# KiCad board GDI-STM.kicad_pcb (continued)
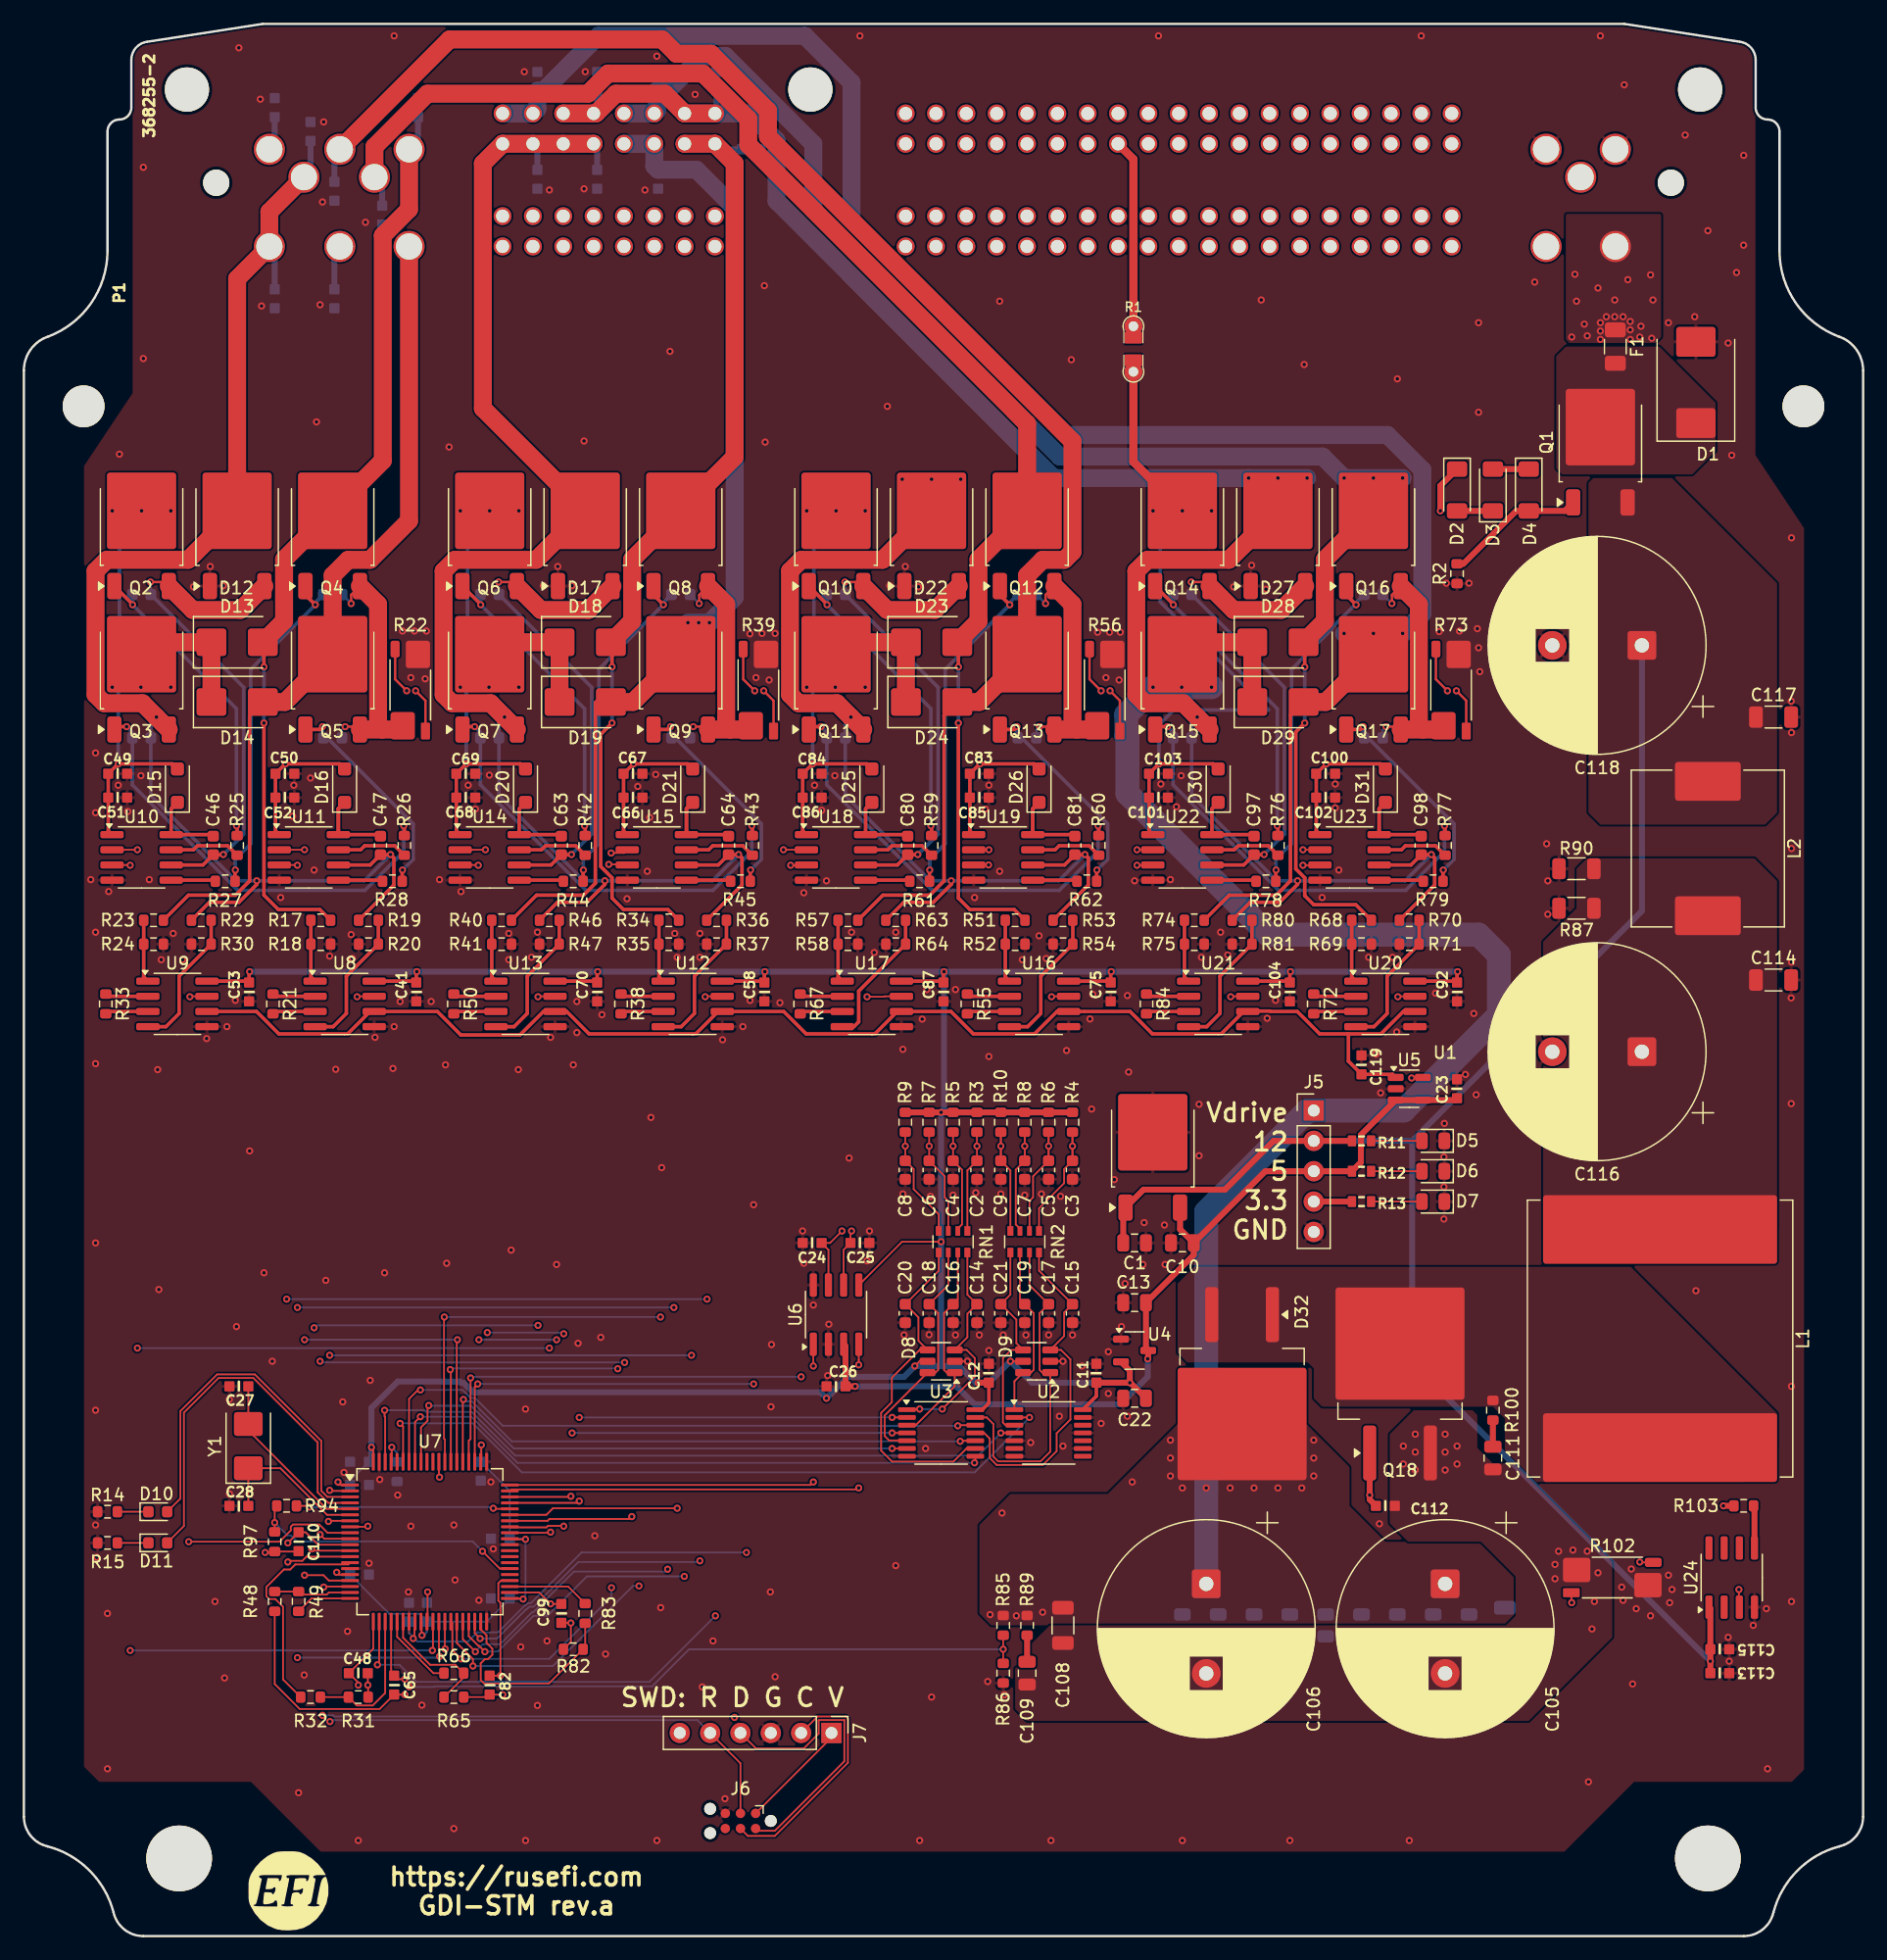
[diagram p0: board, top side]
## Routing (per net, layer and track width the routed paths; a pad name or vN(x,y) marks a point on that pad's centre or on a via; arc(x,y) is an arc through that point) (continued)
/Boot0: length 2.6
  Top w0.15: U7.77 30.8,39.74 v1(30.8,40.9)
  Bottom w0.15: v1(30.8,40.9) 31.25,40.45 R16.1
/CAN_H: length 186
  Top w0.15: U6.7 67.36,57.43 C24.1 67.5,58 v1(68.5,59)
  PWR w0.15: v1(68.5,59) 72.4,62.9 73.23,62.9 73.26,62.93 73.94,62.93 73.97,62.9 79.23,62.9 79.36,63.03 80.04,63.03 80.17,62.9 81.43,62.9 81.46,62.93 82.14,62.93 82.17,62.9 84.83,62.9 84.86,62.93 85.54,62.93 85.57,62.9 87.28,62.9 96.07,71.7 96.85,71.7 96.85,71.7 114.58,71.7 141.3,98.42 141.3,136.48 133.88,143.9 129.48,143.9 125.58,147.8 96.32,147.8 P1.52
/CAN_L: length 182.4
  Top w0.15: U6.6 68.63,57.43 C25.2 69.21,58.91 v1(69.3,59)
  PWR w0.15: P1.53 98.46,148.2 125.6,148.2 129.6,144.2 134,144.2 141.7,136.5 141.7,98.4 114.7,71.4 96.98,71.4 96.97,71.4 96.2,71.4 87.4,62.6 85.44,62.6 85.42,62.63 84.98,62.63 84.96,62.6 82.04,62.6 82.02,62.63 81.58,62.63 81.56,62.6 80.04,62.6 79.92,62.73 79.48,62.73 79.36,62.6 73.84,62.6 73.82,62.63 73.38,62.63 73.36,62.6 72.9,62.6 v1(69.3,59)
/CAN_RX: length 41.6
  Top w0.15: U6.4 69.9,48.21 69.9,48.2 v1(69.9,47.8) ; U7.59 40.81,37.38 69.77,37.38 v1(69.9,37.5)
  PWR w0.15: v1(69.9,37.5) 69.9,45.42 70.22,45.74 70.22,46.26 69.9,46.58 v1(69.9,47.8)
/CAN_TX: length 37
  Top w0.15: v1(66.1,38) 65.85,37.75 U7.60 ; U6.1 66.09,48.1 66.1,48.1 v1(66.1,47.7)
  PWR w0.15: v1(66.1,38) v1(66.1,47.7)
/H1: length 118.2
  Top w0.3: R29.1 15.53,86.5 18,86.5 19.5,88 v1(19.5,88.3) ; U11.6 28.99,89.62 C47.2 30.68,90.48 v1(30.7,90.5) 30.98,90.22 30.98,87.95 R19.1
  Top w1.5: P1.118 20.55,144.28 P1.121 17.85,138.68 D12.2 13.75,115.16 6.94,115.16 6,114.22 6,103.88 6.72,103.16 9.94,103.16 v1(11.1,102) Q3.3
  Bottom w0.3: v1(11.1,102) 10.63,101.53 C43.1 10.63,95.42 17.75,88.3 28.5,88.3 v1(30.7,90.5)
  Bottom w0.5: P1.121 21,140.93 C38.2 ; C37.2 24,147.73 P1.118
/H3: length 128.1
  Top w0.3: R46.1 44.67,86.5 47.14,86.5 48.64,88 v1(48.64,88.3) ; R36.1 60.12,87.95 60.12,90.22 v1(59.84,90.5) 59.83,90.48 C64.2 58.14,89.62 U15.6
  Top w1.5: Q7.3 v1(40.24,102) 39.08,103.16 35.87,103.16 35.14,103.88 35.14,114.22 36.08,115.16 42.9,115.16 D17.2 38.43,127.83 38.43,148.32 P1.97 P1.94
  Bottom w0.3: v1(40.24,102) 39.77,101.53 C60.1 39.77,95.42 46.9,88.3 57.64,88.3 v1(59.84,90.5)
  Bottom w0.5: C55.2 43,149.59 P1.96 ; C54.2 48,149.67 P1.94
/H5: length 159.3
  Top w0.3: v1(77.64,88.3) 77.64,88 76.14,86.5 73.67,86.5 R63.1 ; R53.1 89.12,87.95 89.12,90.22 v1(88.84,90.5) 88.83,90.48 C81.2 87.14,89.62 U19.6
  Top w1.5: Q11.3 v1(69.24,102) 68.08,103.16 64.87,103.16 64.14,103.88 64.14,114.22 65.08,115.16 71.9,115.16 D22.2
  PWR w1.5: v1(78.44,121.9) v1(73.54,121.9) 45.93,121.9 P1.120 24.61,141.38 20.55,145.44 P1.116
  Bottom w0.3: v1(69.24,102) 68.77,101.53 C77.1 68.77,95.42 75.9,88.3 86.64,88.3 v1(88.84,90.5)
  Bottom w0.5: C72.2 26,140.93 P1.120 ; C71.2 21,149.96 P1.116
  vias: v1(76,121.9)
/H7: length 166.7
  Top w0.3: U23.6 116.14,89.62 C98.2 117.83,90.48 v1(117.84,90.5) 118.12,90.22 118.12,87.95 R70.1 ; v1(106.64,88.3) 106.64,88 105.14,86.5 102.67,86.5 R80.1
  Top w1.5: Q15.3 v1(98.24,102) 97.08,103.16 93.87,103.16 93.14,103.88 93.14,114.22 94.08,115.16 100.9,115.16 D27.2 ; P1.87 P1.86 47.91,152.51 49.56,154.16 53.67,154.16 P1.83 P1.82
  Bottom w0.3: v1(98.24,102) 97.77,101.53 C94.1 97.77,95.42 104.9,88.3 115.64,88.3 v1(117.84,90.5)
  Bottom w0.5: P1.82 58,152.65 C88.2 ; P1.86 48,152.81 C89.2
  Bottom w1.5: v1(107.44,122) v1(102.54,122) 86.21,122 63.02,145.19 63.02,150.25 60.76,152.51 P1.83
  vias: v1(105,122)
/HS_VBAT1: length 97.2
  Top w0.15: v1(44.1,33.8) 44.05,33.75 U7.52 ; v1(9.5,90.9) 9.49,90.89 U10.2
  PWR w0.15: v1(44,49.2) 44,33.9 v1(44.1,33.8) ; v1(9.5,90.9) v1(9.5,49.2)
  Bottom w0.15: v1(9.5,49.2) v1(44,49.2)
/HS_VBAT2: length 69.7
  Top w0.15: U14.2 38.64,90.89 v1(38.64,90.9) ; U7.53 40.74,34.2 43.76,34.2 43.88,34.33 45.17,34.33 v1(45.2,34.3)
  PWR w0.15: v1(45.2,50.4) v1(45.2,34.3) ; v1(38.8,50.5) 38.64,50.66 v1(38.64,90.9)
  Bottom w0.15: v1(38.8,50.5) 45.1,50.5 v1(45.2,50.4)
/HS_VBAT3: length 73.3
  Top w0.15: U18.2 65.52,90.9 v1(63.6,90.9) ; U7.54 43.85,34.75 44,34.9 50.7,34.9 v1(50.9,35.1)
  PWR w0.15: v1(50.9,35.1) 50.9,71.42 63.6,84.12 v1(63.6,90.9)
/HS_VBAT4: length 92.2
  Top w0.15: v1(54.7,35.8) 44.3,35.8 43.75,35.25 U7.55 ; v1(93.2,90.9) 94.52,90.9 U22.2
  PWR w0.15: v1(93.2,90.9) 87.8,85.5 78.3,85.5 54.95,62.15 54.95,36.05 v1(54.7,35.8)
/HS_VBOOST1: length 66.2
  Top w0.15: v1(23.5,90.9) 23.49,90.89 U11.2 ; U7.66 36.25,49.85 v1(36.3,49.9)
  PWR w0.15: v1(23.5,90.9) v1(23.5,49.9)
  Bottom w0.15: v1(36.3,49.9) v1(23.5,49.9)
/HS_VBOOST2: length 66.7
  Top w0.15: U15.2 50.26,90.63 v1(49.17,90.63) ; v1(35.7,47.4) 35.75,47.35 U7.67
  PWR w0.15: v1(49.72,47.47) 49.72,90.08 v1(49.17,90.63)
  Bottom w0.15: v1(49.72,47.47) 49.7,47.5 35.8,47.5 v1(35.7,47.4)
/HS_VBOOST3: length 82
  Top w0.15: v1(80.8,90.89) U19.2 ; U7.68 35.25,41.55 35.17,41.63 35.17,51.77 v1(35.2,51.8)
  PWR w0.15: v1(80.8,90.89) 80.8,90.71 53.3,63.21 v1(53.3,51.8)
  Bottom w0.15: v1(53.3,51.8) v1(35.2,51.8)
/HS_VBOOST4: length 121.3
  Top w0.15: v1(107.1,90.9) 108.52,90.9 U23.2 ; v1(25.6,37.3) 25.65,37.25 U7.2
  PWR w0.15: v1(107.1,90.9) 104.99,90.9 98.79,84.7 78.7,84.7 55.9,61.9 v1(55.9,48.6) ; v1(25.6,37.3) v1(25.6,48.6)
  Bottom w0.15: v1(25.6,48.6) v1(55.9,48.6)
/IN_INJ1: length 183.1
  Top w0.15: 79.8,67.28 v1(79.8,66.1) C2.2 79,64.08 RN1.1
  PWR w0.15: P1.44 78.2,145.6 120.13,145.6 121.5,144.23 121.5,139.45 138.8,122.15 138.8,100.68 111.63,73.5 96.11,73.5 96.1,73.5 92.02,73.5 84.1,65.58 84.02,65.58 84.02,65.57 83.58,65.57 83.58,65.58 80.32,65.58 v1(79.8,66.1)
/IN_INJ2: length 181.5
  Top w0.15: RN1.2 78.2,59.2 78.55,59.55 78.55,64.12 C4.2 v1(77.8,66.1) 77.8,67.28
  PWR w0.15: v1(77.8,66.1) 78.93,64.97 83.33,64.97 83.33,64.97 84.27,64.97 84.27,64.97 88.45,64.97 95.77,72.3 96.6,72.3 113.36,72.3 126.67,85.61 126.67,85.88 127.22,86.42 127.49,86.42 140,98.94 140,100.17 140,100.18 140,130.99 124.19,146.8 87.16,146.8 P1.48
/IN_INJ3: length 186.3
  Top w0.15: 75.8,67.28 v1(75.8,66.1) C6.2 77.1,63.58 77.1,61.82 77.4,61.52 RN1.3
  PWR w0.15: P1.46 82.68,146.2 120.38,146.2 122.1,144.48 122.1,139.7 139.4,122.4 139.4,100.42 139.4,100.42 139.4,99.19 127.24,87.03 126.97,87.03 126.07,86.13 126.07,85.86 113.11,72.9 96.35,72.9 95.53,72.9 88.2,65.58 88.02,65.58 88.02,65.57 87.58,65.57 87.58,65.58 87.07,65.58 86.02,66.63 85.58,66.63 84.23,65.27 84.14,65.27 84.14,65.27 83.46,65.27 83.46,65.27 80.2,65.27 80.2,65.28 79.32,65.28 78.33,66.27 78.33,66.32 78.02,66.63 76.33,66.63 v1(75.8,66.1)
/IN_INJ4: length 184.8
  Top w0.15: 73.8,67.28 v1(73.8,66.1) C8.2 74.5,64.17 74.5,62.5 76.6,60.4 RN1.4
  PWR w0.15: P1.49 89.4,147.1 124.4,147.1 140.3,131.2 140.3,100.05 140.3,100.05 140.3,98.81 127.61,86.12 127.34,86.12 126.97,85.76 126.97,85.49 113.49,72 96.73,72 96.73,72 95.9,72 88.57,64.67 84.39,64.67 84.39,64.67 83.21,64.67 83.21,64.67 75.23,64.67 v1(73.8,66.1)
/IN_INJ5: length 176.1
  Top w0.15: C3.2 87.1,64.17 87.1,63 85,60.9 RN2.1 ; C3.2 v1(87.8,66.1) 87.8,67.28 C3.2
  PWR w0.15: v1(87.8,66.1) 94.9,73.2 95.4,73.2 95.4,73.2 96.23,73.2 111.75,73.2 139.1,100.55 139.1,100.55 139.1,122.27 121.8,139.57 121.8,144.35 120.25,145.9 80.44,145.9 P1.45
/IN_INJ6: length 175.6
  Top w0.15: RN2.2 84.2,61.52 84.5,61.82 84.5,63.58 C5.2 ; C5.2 v1(85.8,66.1) 85.8,67.28 C5.2
  PWR w0.15: v1(85.8,66.1) 86.63,65.27 88.33,65.27 95.65,72.6 96.48,72.6 113.24,72.6 126.37,85.74 126.37,86.01 127.09,86.72 127.36,86.72 139.7,99.06 139.7,100.3 139.7,100.3 139.7,122.52 122.4,139.82 122.4,144.6 120.5,146.5 84.92,146.5 P1.47
/IN_PUMP1: length 139.3
  Top w0.15: C9.2 82.6,64.08 RN2.4 ; C9.2 81.8,67.28 v1(81.8,66.1) C9.2
  PWR w0.15: v1(81.8,66.1) 89.8,74.1 111.29,74.1 115.57,78.38 115.57,78.4 123.38,86.2 123.39,86.2 138.2,101.01 138.2,121.9 120.9,139.2 120.9,143.95 119.85,145 115.55,145 P1.41
/IN_PUMP2: length 141
  Top w0.15: C7.2 83.8,67.28 v1(83.8,66.1) C7.2 ; C7.2 83.05,64.12 83.05,59.55 83.4,59.2 RN2.3
  PWR w0.15: P1.40 113.31,145.3 120,145.3 121.2,144.1 121.2,139.32 138.5,122.02 138.5,100.8 111.5,73.8 91.5,73.8 v1(83.8,66.1)
/INJ1: length 95
  Top w0.15: v1(34.2,23.9) 34.2,24 34.25,24.05 U7.31 ; v1(8.9,89.6) 8.87,89.62 U10.3
  PWR w0.15: v1(8.9,89.6) v1(8.9,23.9)
  Bottom w0.15: v1(8.9,23.9) v1(34.2,23.9)
/INJ2: length 83.3
  Top w0.15: v1(34.8,23.4) 34.75,23.45 U7.32 ; U11.3 22.87,89.62 v1(22.9,89.6)
  PWR w0.15: v1(22.9,89.6) 22.9,53.38 22.3,52.78 22.3,49.78 22.77,49.3 22.77,35.43 22.9,35.3 22.9,33.41 23.02,33.28 23.02,32.52 22.9,32.39 v1(22.9,23.3)
  Bottom w0.15: v1(34.8,23.4) 34.7,23.3 v1(22.9,23.3)
/INJ3: length 79.8
  Top w0.15: U7.33 35.25,24.05 v1(35.27,24.02) ; U14.3 38.02,89.62 v1(38.04,89.6)
  PWR w0.15: v1(38.04,89.6) 38.04,49.96 v1(38.1,49.9) ; v1(44.6,49.9) 44.63,49.87 44.63,33.38 v1(35.27,24.02)
  Bottom w0.15: v1(38.1,49.9) v1(44.6,49.9)
/INJ4: length 81.2
  Top w0.15: v1(36.6,23.2) 35.87,23.93 35.87,26.19 U7.34 ; v1(48.97,89.67) 50.48,89.67 U15.3
  PWR w0.15: v1(49.2,29.15) 49.2,89.45 v1(48.97,89.67)
  Bottom w0.15: v1(49.2,29.15) 49.2,28.4 44,23.2 v1(36.6,23.2)
/INJ5: length 87.8
  Top w0.15: v1(37.6,22.6) 37.6,23.18 36.25,24.53 U7.35 ; v1(64.2,89.6) 65.5,89.6 U18.3
  PWR w0.15: v1(64.2,89.6) 64.2,84.3 51.5,71.6 v1(51.5,29.3)
  Bottom w0.15: v1(51.5,29.3) 51,29.3 44.3,22.6 v1(37.6,22.6)
/INJ6: length 93.2
  Top w0.15: U7.36 36.75,24.85 v1(37.8,23.8) ; v1(80.77,89.62) U19.3
  PWR w0.15: v1(80.77,89.62) 53.9,62.75 v1(53.9,30.7)
  Bottom w0.15: v1(53.9,30.7) 53.7,30.5 46.05,30.5 42.65,27.1 42.55,27.1 39.87,24.43 38.42,24.43 v1(37.8,23.8)
/INJ7: length 104.9
  Top w0.15: v1(93.2,89.6) 94.5,89.6 U22.3 ; v1(38.6,23.8) 38.12,24.28 38.07,24.28 37.25,25.09 U7.37
  PWR w0.15: v1(55.3,30.1) 55.3,61.9 78.5,85.1 88.7,85.1 v1(93.2,89.6)
  Bottom w0.15: v1(38.6,23.8) 39.67,23.8 42.67,26.8 43.84,26.8 47.14,30.1 v1(55.3,30.1)
/INJ8: length 116.8
  Top w0.15: v1(107.1,89.6) 108.5,89.6 U23.3 ; v1(38.2,24.9) 37.75,25.35 U7.38
  PWR w0.15: v1(107.1,89.6) 106.97,89.73 104.33,89.73 99,84.4 79,84.4 56.6,62 v1(56.6,31.4)
  Bottom w0.15: v1(56.6,31.4) 56.5,31.3 46.42,31.3 42.68,27.56 42.33,27.56 42.14,27.37 42.08,27.37 39.61,24.9 v1(38.2,24.9)
/L1: length 77
  Top w0.3: 20,108.26 20.1,108.17 v1(20.1,106.2) ; R17.1 24.78,85.9 21.3,85.9 20.1,87.1 v1(20.1,101.5)
  Top w1.5: P1.114 32.25,144.49 30.05,142.29 30.05,123.46 Q4.2 21.79,115.19 21.79,110.04 20,108.26
  Bottom w0.3: v1(20.1,101.5) v1(20.1,106.2)
  Bottom w0.5: C39.2 33,150.26 P1.114
/L2: length 73
  Top w0.3: 20,103.26 18.9,102.16 18.9,88.29 17.71,87.1 13.78,87.1 R23.1
  Top w1.5: P1.119 32.25,118.42 28.99,115.16 27.16,115.16 25.85,113.86 Q5.2 21.85,103.26 20,103.26
  Bottom w0.5: P1.119 32,141.13 C40.2
/L3: length 80.2
  Top w0.3: v1(49.24,101.5) 48.3,100.56 48.3,89.5 49.25,88.55 49.25,86.85 50.2,85.9 53.92,85.9 R34.1 ; v1(49.24,106.2) 49.24,108.17 D18.2
  Top w1.5: P1.91 P1.90 59.51,148.32 59.51,123.77 Q8.2 50.93,115.19 50.93,110.04 D18.2
  Bottom w0.3: v1(49.24,101.5) v1(49.24,106.2)
  Bottom w0.5: P1.90 58.33,149.5 C56.2
/L4: length 82.2
  Top w0.3: D19.2 47.9,103.26 47.85,103.21 47.85,88.1 46.85,87.1 42.92,87.1 R40.1
  Top w1.5: D19.2 51,103.26 Q9.2
  Bottom w1.5: P1.93 P1.92 52.78,148.11 53.09,147.8 56.31,147.8 59.51,144.6 59.51,112.01 v1(57.4,109.9) v1(55.6,109.9)
  vias: v1(56.5,109.9)
/L5: length 124.3
  Top w0.3: v1(78.24,101.5) 78.24,86.86 79.2,85.9 82.92,85.9 R51.1 ; D23.2 78.24,108.17 v1(78.24,106.2)
  Top w1.5: P1.117 29.35,149.72 33.79,154.16 47.22,154.16 48.92,155.85 56.85,155.85 60.65,152.05 60.65,149.89 84,126.54 Q12.2 79.93,115.19 79.93,110.04 D23.2
  Bottom w0.3: v1(78.24,101.5) v1(78.24,106.2)
  Bottom w0.5: P1.117 30,146.53 C73.2
/L6: length 135.2
  Top w0.3: R57.1 71.92,87.1 75.85,87.1 77.04,88.29 77.04,102.16 D24.2
  Top w1.5: D24.2 80,103.26 Q13.2 84,113.86 85.3,115.16 87.13,115.16 87.8,115.83 87.8,125.08 62.3,150.57 62.3,152.74 57.54,157.5 54.64,157.5 53.44,158.7 35.64,158.7 P1.115
  Bottom w0.5: C74.2 26,149.06 P1.115
/L7: length 127.7
  Top w0.3: D28.2 107.24,108.17 v1(107.24,106.2) ; R68.1 111.52,86.3 108,86.3 107.25,87.05 107.25,88.55 106.5,89.3 106.5,100.75 v1(107.24,101.5)
  Top w1.5: D28.2 108.93,110.04 108.93,115.19 Q16.2
  Bottom w0.3: v1(107.24,101.5) v1(107.24,106.2)
  Bottom w1.5: P1.85 P1.84 53,152.73 C90.2 53.89,154.4 56.79,157.31 58.75,157.31 66.1,149.96 66.1,144.44 86.74,123.8 108.74,123.8 v1(110.54,122) v1(115.44,122)
  vias: v1(113,122)
/L8: length 153.2
  Top w0.3: D29.2 106.04,102.16 106.04,88.29 104.85,87.1 100.92,87.1 R74.1
  Top w1.5: D29.2 109,103.26 Q17.2
  Bottom w1.5: P1.89 P1.88 43,152.89 C91.2 43.5,154.4 48.1,159 65.39,159 69.3,155.09 69.3,143.58 87.28,125.6 114.18,125.6 117.1,122.68 117.1,110.65 v1(115.44,109) v1(110.54,109)
  vias: v1(113,109)
/nRESET: length 58.8
  Top w0.15: v1(25.5,34.7) 25.55,34.75 U7.7 ; J6.3 60,14.46 J7.5
  PWR w0.15: v1(25.5,34.7) 25.63,34.57 v1(25.63,17.95)
  Bottom w0.15: J7.5 56.38,18.08 25.98,18.08 25.85,17.95 v1(25.63,17.95)
/START1: length 40.3
  Top w0.15: U3.2 v1(72.7,43.4) ; v1(46.5,36.4) 46.35,36.25 U7.57
  PWR w0.15: v1(46.5,43.4) v1(46.5,36.4)
  Bottom w0.15: v1(72.7,43.4) v1(46.5,43.4)
/START2: length 38.5
  Top w0.15: U3.4 v1(72.7,42.1) ; U7.58 45.75,36.75 v1(45.8,36.8)
  PWR w0.15: v1(45.8,36.8) 45.9,36.9 v1(45.9,42.1)
  Bottom w0.15: v1(72.7,42.1) v1(45.9,42.1)
/START3: length 46.5
  Top w0.15: U3.6 v1(72.7,40.8) ; U7.72 33.25,42.57 33.8,43.12 33.8,44.3 v1(33.9,44.4)
  Bottom w0.15: v1(33.9,44.4) 33.93,44.37 37.45,44.37 41.02,40.8 v1(72.7,40.8)
/START4: length 52.5
  Top w0.15: v1(33.19,43.46) 32.75,43.01 U7.73 ; v1(79.6,39.6) 79.66,39.66 U3.8
  Bottom w0.15: v1(33.19,43.46) 37.47,43.46 41.32,39.6 v1(79.6,39.6)
/START5: length 49.6
  Top w0.15: v1(78.4,41.4) 78.45,41.45 U3.10 ; v1(36.8,44.9) 36.75,44.85 U7.65
  Bottom w0.15: v1(36.8,44.9) 36.98,44.72 37.52,44.72 40.85,41.4 v1(78.4,41.4)
/START6: length 54.2
  Top w0.15: v1(33.2,45.7) 33,45.7 32.25,44.95 U7.74 ; v1(78.2,42.7) 78.25,42.75 U3.12
  Bottom w0.15: v1(78.2,42.7) 40.1,42.7 37.78,45.02 37.42,45.02 36.92,45.52 36.91,45.52 36.74,45.7 v1(33.2,45.7)
/START7: length 60.9
  Top w0.15: U7.75 31.75,42.65 v1(31.5,42.9) ; U2.2 v1(84.2,43.4)
  Bottom w0.15: v1(31.5,42.9) 37.6,42.9 41.7,38.8 79.6,38.8 v1(84.2,43.4)
/START8: length 59.4
  Top w0.15: U2.4 v1(81.8,42.1) ; v1(30.2,44) 30.2,43.5 30.25,43.45 U7.78
  Bottom w0.15: v1(30.2,44) 33.56,44 33.68,43.87 37.47,43.87 41.15,40.2 79.9,40.2 v1(81.8,42.1)
/SWCLK: length 84.6
  Top w0.15: v1(37.4,46.7) 37.4,41.6 37.25,41.45 U7.64 ; J6.4 60.62,8.38 62.87,8.38 69,14.5 69,18.2 68.82,18.38 66.46,18.38 J7.2
  PWR w0.15: v1(65.08,46.8) J7.2
  Bottom w0.15: v1(37.4,46.7) 37.5,46.8 v1(65.08,46.8)
/SWDIO: length 83.6
  Top w0.15: J7.4 61.3,15.7 65.3,15.7 66.54,16.94 66.54,18.04 66.58,18.08 68.7,18.08 68.7,14.63 62.88,8.81 61.46,8.81 J6.2 ; v1(38,46.2) 37.75,45.95 U7.63
  PWR w0.15: v1(61.1,46.2) 61.1,18.1 J7.4
  Bottom w0.15: v1(61.1,46.2) v1(38,46.2)
/Vboost: length 64.5
  Top w0.15: U7.30 33.8,26.36 v1(33.8,28.8) ; R86.1 v1(82,24) R85.2
  PWR w0.15: v1(32.27,20.85) 32.43,21 32.43,23.51 33.86,24.95 33.86,28.74 v1(33.8,28.8)
  Bottom w0.15: v1(82,24) 55.7,24 52.6,20.9 34.4,20.9 34.35,20.85 v1(32.27,20.85)
/Vo1: length 18.6
  Top w0.15: U7.14 27.16,31.1 22.72,31.1 22.3,30.68 21.77,30.68 20.3,29.21 20.3,28.44 20.54,28.2 21.06,28.2 21.7,27.56 21.7,21.47 R32.1
/Vo2: length 4.8
  Top w0.15: R49.1 24.07,28.25 U7.20
/Vo3: length 6.5
  Top w0.15: R66.1 34.29,22 31.25,25.04 U7.25
/Vo4: length 6.9
  Top w0.15: U7.43 45.57,29.25 R83.1
/Voboost: length 18
  Top w0.15: v1(39.3,35.8) 39.35,35.75 U7.56 ; v1(23.9,35.9) 23.8,36 R94.1
  Bottom w0.15: v1(23.9,35.9) 39.2,35.9 v1(39.3,35.8)
Vdrive: length 262
  Top w1.5: Q11.2 69,108.26 D23.1 D24.1 ; D14.1 D13.1 10.85,108.26 Q3.2 ; Q15.2 98,108.26 D28.1 D29.1 ; D19.1 D18.1 40,108.26 Q7.2
  PWR w2: v1(7.4,104.5) 23.9,104.5 26.3,106.9 34.14,106.9 v1(36.54,104.5) 53.04,104.5 55.44,106.9 63.14,106.9 v1(65.54,104.5) 82.19,104.5 84.59,106.9 92.14,106.9 v1(94.54,104.5) v1(99.44,104.5)
  Bottom w2: v1(99.44,104.5) v1(94.54,104.5) 94.54,104.44 92.3,102.2 92.3,100.4 92.4,100.3 92.4,95.6 104.2,83.8 121.8,83.8 123.5,82.1 123.5,77.05 115.53,69.08 J5.1 107.48,69.08 99,60.6 v1(99,37.5) C106.1
  vias: v1(9.8,104.5) v1(12.3,104.5) v1(38.94,104.5) v1(41.44,104.5) v1(67.94,104.5) v1(70.44,104.5) v1(80.9,26.9) v1(81.9,35.4) v1(83.1,26.8) v1(85.3,27.1) v1(92.8,38) v1(96,41.5) v1(96,40) v1(96,38.5) v1(96.94,104.5) v1(97,37.5) v1(101,37.5) v1(103,37.5) v1(105,37.5) v1(107,37.5) v1(108,41.5) v1(108,40) v1(108,38.5)
Net-(C48-Pad1): length 90.8
  Top w0.15: R31.2 28.82,20.97 v1(28.8,21) 28.8,21.99 C48.1
  Top w0.2: 31.08,107.69 31.08,105.16 v1(32.05,104.2)
  PWR w0.15: v1(28.8,21) 30.3,22.5 30.3,33.92 32.2,35.82 32.2,79.08 32.07,79.2 32.07,81.04 32.33,81.29 32.33,103.92 v1(32.05,104.2)
Net-(C65-Pad1): length 118.8
  Top w0.15: v1(31.9,20.2) 31.01,20.2 C65.1 29.79,19 23.09,19 21,21.09 R48.2
  Top w0.2: R39.3 60.23,105.16 v1(61.19,104.2)
  PWR w0.15: v1(31.9,20.2) 32.38,20.2 37.27,25.1 37.27,25.28 37.82,25.82 38,25.82 47.2,35.02 47.2,83.02 47.52,83.34 47.52,90.52 v1(61.19,104.2)
Net-(C82-Pad1): length 116.8
  Top w0.15: R65.2 38.79,20 C82.1 39.01,20.2 v1(40.1,20.2)
  Top w0.2: v1(90.19,104.2) 89.23,105.16 R56.3
  PWR w0.15: v1(40.1,20.2) 42.6,22.7 42.6,27.47 43.76,28.63 52,28.63 52.2,28.82 52.2,64.81 90.19,102.81 v1(90.19,104.2)
Net-(C99-Pad1): length 141.6
  Top w0.15: C99.1 45.79,26.21 v1(45.8,26.2) 45.8,24.62 R82.2
  Top w0.2: R73.3 118.23,105.16 v1(119.19,104.2)
  PWR w0.15: v1(45.8,26.2) 58.18,26.2 58.5,26.52 58.5,61.82 72.88,76.2 104.58,76.2 119.47,91.1 119.47,93.12 119.19,93.39 v1(119.19,104.2)
Net-(C109-Pad1): length 2.2
  Top w0.5: C109.1 R89.1
Net-(C110-Pad1): length 140.2
  Top w0.15: C110.1 22.97,32.18 R97.2 20.92,32.1 v1(20.2,32.1) ; v1(135.3,31.3) 135.33,31.27 R102.3
  PWR w0.15: v1(20.2,32.1) 20.2,20.78 26.78,14.2 116.8,14.2 133.9,31.3 v1(135.3,31.3)
Net-(C111-Pad1): length 2.2
  Top w0.5: C111.1 R100.1
Net-(D2-A): length 3
  Top w0.5: D3.1 D2.2
Net-(D3-A): length 3
  Top w0.5: D3.2 D4.1
Net-(D4-A): length 11.8
  Top w0.5: Q1.1 129.01,119.25 D4.2 124.95,119.25 120.52,114.83 R2.2
Net-(D5-A): length 4.3
  Top w0.15: R11.1 D5.2
Net-(D6-A): length 4.3
  Top w0.15: D6.2 R12.1
Net-(D7-A): length 4.3
  Top w0.15: R13.1 D7.2
Net-(D10-A): length 31.1
  Top w0.15: D10.2 13.1,36.61 13.1,43.92 16.18,47 19.34,47 24.9,41.44 24.9,37.26 25.41,36.75 U7.3
Net-(D10-K): length 2.6
  Top w0.15: 10.42,35.51 R14.2
Net-(D11-A): length 33.4
  Top w0.15: U7.4 25.48,36.25 24.6,37.13 24.6,41.31 19.21,46.7 16.3,46.7 13.4,43.8 13.4,34.32 12,32.92
Net-(D11-K): length 2.6
  Top w0.15: 10.42,32.9 R15.1
Net-(D15-K): length 6.5
  Top w0.3: D15.1 12.33,94.33 U10.8 15.72,92.17 C46.1
Net-(D16-K): length 9.4
  Top w0.3: 26.33,94.33 U11.8 ; 26.33,94.33 U11.8 ; 26.33,94.33 D16.1 26.33,94.33 ; U11.8 29.72,92.17 C47.1
Net-(D20-K): length 6.5
  Top w0.3: C63.1 44.87,92.17 U14.8 41.47,94.33 D20.1
Net-(D21-K): length 9.4
  Top w0.3: 55.47,94.33 D21.1 55.47,94.33 ; 55.47,94.33 U15.8 ; 55.47,94.33 U15.8 ; U15.8 58.87,92.17 C64.1
Net-(D25-K): length 6.5
  Top w0.3: C80.1 73.87,92.17 U18.8 70.47,94.33 D25.1
Net-(D26-K): length 9.4
  Top w0.3: 84.47,94.33 D26.1 84.47,94.33 ; 84.47,94.33 U19.8 ; 84.47,94.33 U19.8 ; U19.8 87.87,92.17 C81.1
Net-(D30-K): length 6.5
  Top w0.3: D30.1 99.47,94.33 U22.8 102.87,92.17 C97.1
Net-(D31-K): length 9.4
  Top w0.3: 113.47,94.33 U23.8 ; 113.47,94.33 D31.1 113.47,94.33 ; 113.47,94.33 U23.8 ; U23.8 116.87,92.17 C98.1
Net-(P1-Pad51): length 15.8
  Top w0.7: R1.1 92.9,148.68 P1.51
Net-(Q2-G): length 26
  Top w0.3: v1(9.1,111.4) 9.1,111.44 Q2.1 ; v1(17.8,92.9) 17.85,92.84 17.85,92.08
  Bottom w0.3: v1(17.8,92.9) 17.8,102.7 v1(9.1,111.4) 9.1,112.24 C42.2
Net-(Q2-S): length 42.8
  Top w0.2: v1(10.6,113.3) 11.79,113.3 Q2.3
  Top w0.3: U10.6 14.99,89.62 C46.2 16.68,90.48 v1(16.7,90.5)
  Top w1.5: Q2.3 14.14,110.96 18.13,110.96 D12.3
  Bottom w0.2: C42.1 10.63,113.27 v1(10.6,113.3)
  Bottom w0.3: v1(16.7,90.5) 18.4,92.2 18.4,104.49 C42.1
Net-(Q3-G): length 36.9
  Top w0.3: Q3.1 7.81,101.2 v1(8.6,101.2) ; 31.85,92.08 31.85,92.84 v1(31.8,92.9)
  Bottom w0.3: v1(8.6,101.2) 9.08,100.72 C43.2 9.08,96.33 17.91,87.5 28.55,87.5 31.8,90.75 v1(31.8,92.9)
Net-(Q4-G): length 29
  Top w0.3: v1(24.4,111.4) 23.57,112.22 Q4.1 ; R27.2 17.68,89.18 v1(17.7,89.2)
  Bottom w0.3: C44.2 24.4,111.58 v1(24.4,111.4) 19,106 19,91.4 17.7,90.1 v1(17.7,89.2)
Net-(Q4-S): length 21.7
  Top w0.2: v1(26.9,101.2) 27.89,101.2 Q5.3 ; Q4.3 27.4,112.22 v1(27.4,111.5)
  Top w1.5: R22.1 31.4,100.96 30,100.96 ; Q4.3 29.66,111.44 29.66,101.3 30,100.96 ; 30,100.96 Q5.3
  Bottom w0.2: v1(26.9,101.2) 26.63,100.93 C45.1 ; C44.1 26.64,112.26 v1(27.4,111.5)
Net-(Q5-G): length 18.2
  Top w0.3: R28.2 31.68,89.18 v1(31.7,89.2) ; v1(25,101.2) 24.76,100.96 Q5.1
  Bottom w0.3: v1(31.7,89.2) 32.6,90.1 32.6,93.06 25.4,100.26 C45.2 25,100.34 v1(25,101.2)
Net-(Q6-G): length 26
  Top w0.3: v1(46.94,92.9) 47,92.84 47,92.08 ; Q6.1 38.24,111.44 v1(38.24,111.4)
  Bottom w0.3: v1(46.94,92.9) 46.94,102.7 v1(38.24,111.4) 38.24,112.24 C59.2
Net-(Q6-S): length 42.8
  Top w0.2: Q6.3 40.94,113.3 v1(39.74,113.3)
  Top w0.3: v1(45.84,90.5) 45.83,90.48 C63.2 44.14,89.62 U14.6
  Top w1.5: D17.3 47.28,110.96 43.28,110.96 Q6.3
  Bottom w0.2: v1(39.74,113.3) 39.77,113.27 C59.1
  Bottom w0.3: C59.1 47.55,104.49 47.55,92.2 v1(45.84,90.5)
Net-(Q7-G): length 36.9
  Top w0.3: Q7.1 36.96,101.2 v1(37.74,101.2) ; v1(60.94,92.9) 61,92.84 61,92.08
  Bottom w0.3: v1(37.74,101.2) 38.22,100.72 C60.2 38.22,96.33 47.06,87.5 57.69,87.5 60.94,90.75 v1(60.94,92.9)
Net-(Q8-G): length 29
  Top w0.3: Q8.1 52.72,112.22 v1(53.54,111.4) ; v1(46.84,89.2) 46.82,89.18 R44.2
  Bottom w0.3: C61.2 53.54,111.58 v1(53.54,111.4) 48.14,106 48.14,91.4 46.84,90.1 v1(46.84,89.2)
Net-(Q8-S): length 21.7
  Top w0.2: v1(56.54,111.5) 56.54,112.22 Q8.3 ; v1(56.04,101.2) 57.04,101.2 Q9.3
  Top w1.5: R39.1 60.55,100.96 59.14,100.96 ; 59.14,100.96 Q9.3 ; 59.14,100.96 58.8,101.3 58.8,111.44 Q8.3
  Bottom w0.2: C61.1 55.78,112.26 v1(56.54,111.5) ; C62.1 55.77,100.93 v1(56.04,101.2)
Net-(Q9-G): length 18.2
  Top w0.3: Q9.1 53.9,100.96 v1(54.14,101.2) ; R45.2 60.82,89.18 v1(60.84,89.2)
  Bottom w0.3: v1(60.84,89.2) 61.74,90.1 61.74,93.06 54.55,100.26 C62.2 54.14,100.34 v1(54.14,101.2)
Net-(Q10-G): length 26
  Top w0.3: 76,92.08 76,92.84 v1(75.94,92.9) ; Q10.1 67.24,111.44 v1(67.24,111.4)
  Bottom w0.3: C76.2 67.24,112.24 v1(67.24,111.4) 75.94,102.7 v1(75.94,92.9)
Net-(Q10-S): length 42.8
  Top w0.2: v1(68.74,113.3) 69.94,113.3 Q10.3
  Top w0.3: U18.6 73.14,89.62 C80.2 74.83,90.48 v1(74.84,90.5)
  Top w1.5: Q10.3 72.28,110.96 76.28,110.96 D22.3
  Bottom w0.2: C76.1 68.77,113.27 v1(68.74,113.3)
  Bottom w0.3: v1(74.84,90.5) 76.55,92.2 76.55,104.49 C76.1
Net-(Q11-G): length 36.9
  Top w0.3: Q11.1 65.96,101.2 v1(66.74,101.2) ; v1(89.94,92.9) 90,92.84 90,92.08
  Bottom w0.3: v1(89.94,92.9) 89.94,90.75 86.69,87.5 76.06,87.5 67.22,96.33 C77.2 67.22,100.72 v1(66.74,101.2)
Net-(Q12-G): length 29
  Top w0.3: R61.2 75.82,89.18 v1(75.84,89.2) ; v1(82.54,111.4) 81.72,112.22 Q12.1
  Bottom w0.3: C78.2 82.54,111.58 v1(82.54,111.4) 77.14,106 77.14,91.4 75.84,90.1 v1(75.84,89.2)
Net-(Q12-S): length 21.7
  Top w0.2: v1(85.04,101.2) 86.04,101.2 Q13.3 ; v1(85.54,111.5) 85.54,112.22 Q12.3
  Top w1.5: R56.1 89.55,100.96 88.14,100.96 ; Q12.3 87.8,111.44 87.8,101.3 88.14,100.96 ; 88.14,100.96 Q13.3
  Bottom w0.2: C78.1 84.78,112.26 v1(85.54,111.5) ; C79.1 84.77,100.93 v1(85.04,101.2)
Net-(Q13-G): length 18.2
  Top w0.3: R62.2 89.82,89.18 v1(89.84,89.2) ; v1(83.14,101.2) 82.9,100.96 Q13.1
  Bottom w0.3: v1(83.14,101.2) 83.14,100.34 C79.2 83.55,100.26 90.74,93.06 90.74,90.1 v1(89.84,89.2)
Net-(Q14-G): length 26
  Top w0.3: Q14.1 96.24,111.44 v1(96.24,111.4) ; v1(104.94,92.9) 105,92.84 105,92.08
  Bottom w0.3: C93.2 96.24,112.24 v1(96.24,111.4) 104.94,102.7 v1(104.94,92.9)
Net-(Q14-S): length 42.8
  Top w0.2: Q14.3 98.94,113.3 v1(97.74,113.3)
  Top w0.3: U22.6 102.14,89.62 C97.2 103.83,90.48 v1(103.84,90.5)
  Top w1.5: Q14.3 101.28,110.96 105.28,110.96 D27.3
  Bottom w0.2: v1(97.74,113.3) 97.77,113.27 C93.1
  Bottom w0.3: C93.1 105.55,104.49 105.55,92.2 v1(103.84,90.5)
Net-(Q15-G): length 36.9
  Top w0.3: 119,92.08 119,92.84 v1(118.94,92.9) ; v1(95.74,101.2) 94.96,101.2 Q15.1
  Bottom w0.3: v1(118.94,92.9) 118.94,90.75 115.69,87.5 105.06,87.5 96.22,96.33 C94.2 96.22,100.72 v1(95.74,101.2)
Net-(Q16-G): length 29
  Top w0.3: Q16.1 110.72,112.22 v1(111.54,111.4) ; v1(104.84,89.2) 104.82,89.18 R78.2
  Bottom w0.3: v1(104.84,89.2) 104.84,90.1 106.14,91.4 106.14,106 109.49,109.35 109.49,109.43 111.46,111.4 v1(111.54,111.4) 111.54,111.58 C95.2
Net-(Q16-S): length 21.7
  Top w0.2: v1(114.04,101.2) 115.04,101.2 Q17.3 ; v1(114.54,111.5) 114.54,112.22 Q16.3
  Top w1.5: Q16.3 116.8,111.44 116.8,101.3 117.14,100.96 ; 117.14,100.96 118.55,100.96 R73.1 ; 117.14,100.96 Q17.3
  Bottom w0.2: v1(114.04,101.2) 113.77,100.93 C96.1 ; C95.1 113.78,112.26 v1(114.54,111.5)
Net-(Q17-G): length 18.2
  Top w0.3: v1(112.14,101.2) 111.9,100.96 Q17.1 ; R79.2 118.82,89.18 v1(118.84,89.2)
  Bottom w0.3: v1(112.14,101.2) 112.14,100.34 C96.2 112.55,100.26 119.74,93.06 119.74,90.1 v1(118.84,89.2)
Net-(Q18-G): length 35.5
  Top w0.5: C112.2 112.68,36.52 v1(112.68,36.9) Q18.1 ; v1(142.3,36) R103.1
  PWR w0.5: v1(142.3,36) 141.4,36.9 v1(112.68,36.9)
Net-(R21-Pad1): length 3.6
  Top w0.3: U8.2 21.04,78.64 R21.1
Net-(R21-Pad2): length 3.6
  Top w0.3: R21.2 21.04,77.36 U8.3
Net-(R33-Pad1): length 3.6
  Top w0.3: U9.2 7.04,78.64 R33.1
Net-(R33-Pad2): length 3.6
  Top w0.3: U9.3 7.04,77.36 R33.2
Net-(R38-Pad1): length 3.6
  Top w0.3: R38.1 50.19,78.64 U12.2
Net-(R38-Pad2): length 3.6
  Top w0.3: U12.3 50.19,77.36 R38.2
Net-(R50-Pad1): length 3.6
  Top w0.3: U13.2 36.19,78.64 R50.1
Net-(R50-Pad2): length 3.6
  Top w0.3: R50.2 36.19,77.36 U13.3
Net-(R55-Pad1): length 3.6
  Top w0.3: R55.1 79.19,78.64 U16.2
Net-(R55-Pad2): length 3.6
  Top w0.3: R55.2 79.19,77.36 U16.3
Net-(R67-Pad1): length 3.6
  Top w0.3: U17.2 65.19,78.64 R67.1
Net-(R67-Pad2): length 3.6
  Top w0.3: U17.3 65.19,77.36 R67.2
Net-(R72-Pad1): length 3.6
  Top w0.3: U20.2 108.19,78.64 R72.1
Net-(R72-Pad2): length 3.6
  Top w0.3: R72.2 108.19,77.36 U20.3
Net-(R84-Pad1): length 3.6
  Top w0.3: U21.2 94.19,78.64 R84.1
Net-(R84-Pad2): length 3.6
  Top w0.3: U21.3 94.19,77.36 R84.2
Net-(RN1-R1.2): length 19.6
  Top w0.15: v1(76.9,44.1) 79.62,46.82 79.62,48.36 78.93,49.05 D8.3 79,50.11 79,52.07 C14.2 79,53.68 RN1.8 ; v1(75,44.1) 73.99,44.1 U3.1
  Bottom w0.15: v1(76.9,44.1) v1(75,44.1)
Net-(RN1-R2.2): length 17.8
  Top w0.15: RN1.7 78.2,53.28 C16.2 77.05,52.12 77.05,47.38 77.28,47.15 D8.1 77.94,46.01 74.67,42.75 U3.3
Net-(RN1-R3.2): length 20.6
  Top w0.15: U3.5 73.91,41.47 72.44,41.47 72.07,41.84 72.07,43.56 D8.6 76.32,47.15 76.55,47.38 76.55,52.12 C18.2 77.4,54.47 RN1.6
Net-(RN1-R4.2): length 29.2
  Top w0.15: U3.9 78.93,40.8 77.82,39.7 72.7,39.7 71.77,40.62 71.77,43.78 72.67,44.68 72.67,46.72 75,49.05 D8.4 74.9,49.81 74.9,51.78 C20.2 76.6,55.68 RN1.5
Net-(RN2-R1.2): length 29.6
  Top w0.15: RN2.8 85,55.68 C15.2 87.1,52.17 87.1,50.21 D9.3 86.83,49.05 87.62,48.26 87.62,43.22 86.47,42.07 86.47,40.57 85.32,39.42 81.45,39.42 80.87,40 80.87,41.62 80.4,42.1 U3.11
Net-(RN2-R2.2): length 28.1
  Top w0.15: RN2.7 84.2,54.47 C17.2 85.05,52.12 85.05,47.38 85.28,47.15 D9.1 85.94,40.54 85.12,39.72 81.58,39.72 81.17,40.12 81.17,42.85 80.62,43.4 U3.13
Net-(RN2-R3.2): length 14.7
  Top w0.15: U2.1 82.94,46.43 D9.6 84.32,47.15 84.55,47.38 84.55,52.12 C19.2 83.4,53.28 RN2.6
Net-(RN2-R4.2): length 17.7
  Top w0.15: U2.3 82.2,42.75 81.97,42.98 81.97,48.36 82.67,49.05 D9.4 83.1,49.61 83.1,51.58 C21.2 82.6,53.68 RN2.5
Net-(U5-Vref): length 118
  Top w0.15: U5.5 116.25,71.85 v1(116.2,71.8) ; v1(32.6,24.9) 32.7,25 32.7,26.26 U7.28
  PWR w0.15: v1(60.5,32.1) 60.5,50.5 67.2,57.2 83.2,57.2 97.1,71.1 115.5,71.1 v1(116.2,71.8)
  Bottom w0.15: v1(60.5,32.1) 46.7,32.1 42.46,27.86 42.2,27.86 42.02,27.67 41.96,27.67 39.71,25.42 37.98,25.42 37.2,24.64 32.96,24.64 32.7,24.9 v1(32.6,24.9) 32.6,25 32.25,25.35 C29.2
Net-(U7-PF0): length 14.9
  Top w0.15: U7.5 25.35,35.75 18.79,42.31 Y1.2 C27.1
Net-(U7-PF1): length 13.3
  Top w0.15: U7.6 25.38,35.25 21.48,39.15 Y1.1 C28.2
Net-(U8-+): length 12
  Top w0.3: U8.4 25.89,76.09 27,77.2 27,80.32 R20.1 R19.2
Net-(U8--): length 5.2
  Top w0.3: U8.1 24.03,80.25 R18.1 R17.2
Net-(U9-+): length 12
  Top w0.3: U9.4 11.89,76.09 13,77.2 13,80.32 R30.1 R29.2
Net-(U9--): length 5.2
  Top w0.3: R23.2 R24.1 10.03,80.25 U9.1
Net-(U10-HO): length 6
  Top w0.3: U10.7 14.19,90.89 14.54,91.24 17.05,91.24 R25.1
Net-(U10-LO): length 3.7
  Top w0.3: R27.1 15.93,88.36 U10.5
Net-(U11-HO): length 6
  Top w0.3: R26.1 31.05,91.24 28.54,91.24 28.19,90.89 U11.7
Net-(U11-LO): length 3.7
  Top w0.3: U11.5 29.93,88.36 R28.1
Net-(U12-+): length 12
  Top w0.3: U12.4 55.04,76.09 56.14,77.2 56.14,80.32 R37.1 R36.2
Net-(U12--): length 5.2
  Top w0.3: U12.1 53.17,80.25 R35.1 R34.2
Net-(U13-+): length 12
  Top w0.3: R46.2 R47.1 42.14,80.32 42.14,77.2 41.04,76.09 U13.4
Net-(U13--): length 5.2
  Top w0.3: U13.1 39.17,80.25 R41.1 R40.2
Net-(U14-HO): length 6
  Top w0.3: R42.1 46.2,91.24 43.68,91.24 43.34,90.89 U14.7
Net-(U14-LO): length 3.7
  Top w0.3: U14.5 45.08,88.36 R44.1
Net-(U15-HO): length 6
  Top w0.3: U15.7 57.34,90.89 57.68,91.24 60.2,91.24 R43.1
Net-(U15-LO): length 3.7
  Top w0.3: U15.5 59.08,88.36 R45.1
Net-(U16-+): length 12
  Top w0.3: U16.4 84.04,76.09 85.14,77.2 85.14,80.32 R54.1 R53.2
Net-(U16--): length 5.2
  Top w0.3: R51.2 R52.1 82.17,80.25 U16.1
Net-(U17-+): length 11.7
  Top w0.3: R63.2 R64.1 69.9,79.08 69.9,76.5 69.49,76.09 U17.4
Net-(U17--): length 5.2
  Top w0.3: R57.2 R58.1 68.17,80.25 U17.1
Net-(U18-HO): length 6
  Top w0.3: R59.1 75.2,91.24 72.68,91.24 72.34,90.89 U18.7
Net-(U18-LO): length 3.7
  Top w0.3: U18.5 74.08,88.36 R61.1
Net-(U19-HO): length 6
  Top w0.3: U19.7 86.34,90.89 86.68,91.24 89.2,91.24 R60.1
Net-(U19-LO): length 3.7
  Top w0.3: U19.5 88.08,88.36 R62.1
Net-(U20-+): length 12
  Top w0.3: U20.4 113.04,76.09 114.14,77.2 114.14,80.32 R71.1 R70.2
Net-(U20--): length 5.2
  Top w0.3: U20.1 111.17,80.25 R69.1 R68.2
Net-(U21-+): length 12
  Top w0.3: R80.2 R81.1 100.14,80.32 100.14,77.2 99.04,76.09 U21.4
Net-(U21--): length 5.2
  Top w0.3: U21.1 97.17,80.25 R75.1 R74.2
Net-(U22-HO): length 6
  Top w0.3: U22.7 101.34,90.89 101.68,91.24 104.2,91.24 R76.1
Net-(U22-LO): length 3.7
  Top w0.3: U22.5 103.08,88.36 R78.1
Net-(U23-HO): length 6
  Top w0.3: U23.7 115.34,90.89 115.68,91.24 118.2,91.24 R77.1
Net-(U23-LO): length 3.7
  Top w0.3: R79.1 117.08,88.36 U23.5
Net-(U24-LO): length 3.6
  Top w0.5: R103.2 144.9,35.92 U24.5

## Copper pours and planes (outline as drawn; the poured copper is in the pictures)
/+12V_C on Top, Bottom: 129.1,133.6 129.1,144.1 137.1,144.1 137.1,133.8 136.6,133.3 129.4,133.3
GND on Top, Bottom, GND, PWR: 0,-4 0,161 155,161 155,-4
+BATT on Top: 146.8,113.2 138,122 131.4,122 131,121.6 131,94 132,93 145.8,93 146.8,94
/BOOST/+Batt_filtered on Top: 127.2,59.12 127.2,83.2 130,86 130,89.31 130.87,90.19 144.9,90.19 146.8,88.28 146.8,59.12
/BOOST/Vdrive_coil on Top: 126.65,38 124,40.65 124,43.3 123,44.3 108.7,44.3 108,45 108,47.5 107.5,48 97.4,48 96.6,48.8 96.6,54.6 98,56 134.55,56 146.8,43.75 146.8,40.88 143.92,38
/BOOST/Vdrive_shunt on Top, Bottom: 114.36,42 116.36,44 121.3,44 121.7,43.6 121.7,40.85 123,39.55 124.75,39.55 133,31.3 133,25 126,18 84,18 83,19 83,23.1 85.9,26 124.1,26 124.9,26.8 124.9,30.1 122,33 115.9,33 114.36,34.53
Vdrive on Top, Bottom: 96.6,42.85 90.75,37 82.6,37 80,34.4 80,27 81,26 124.1,26 124.9,26.8 124.9,30.1 122,33 114,33 111,36 111,39.25 107.4,42.85
Net-(D1-A1) on Top: 141.65,128.3 136.95,133 129.1,133 128.3,132.2 128.3,122.8 128.8,122.3 139.7,122.3 141.65,124.25

## Text on the board
B.Silkscreen: Always looking for C/C++/PHP/Java developers / https://rusefi.com/s/mission | GND | +12V
F.Silkscreen: https://rusefi.com / GDI-STM rev.a | SWD: R D G C V | Vdrive / 12 / 5 / 3.3 / GND
